# Altium PCB 理五企业合作.PCBDOC
Units mil, origin at the board's own origin, x right, y up, seen from the top; angles counter-clockwise.
Board outline 1675.03 x 1125.03 mil, 2 copper layers (Top Layer, Bottom Layer); 10 components, 24 nets, 52 pads, 1 vias.
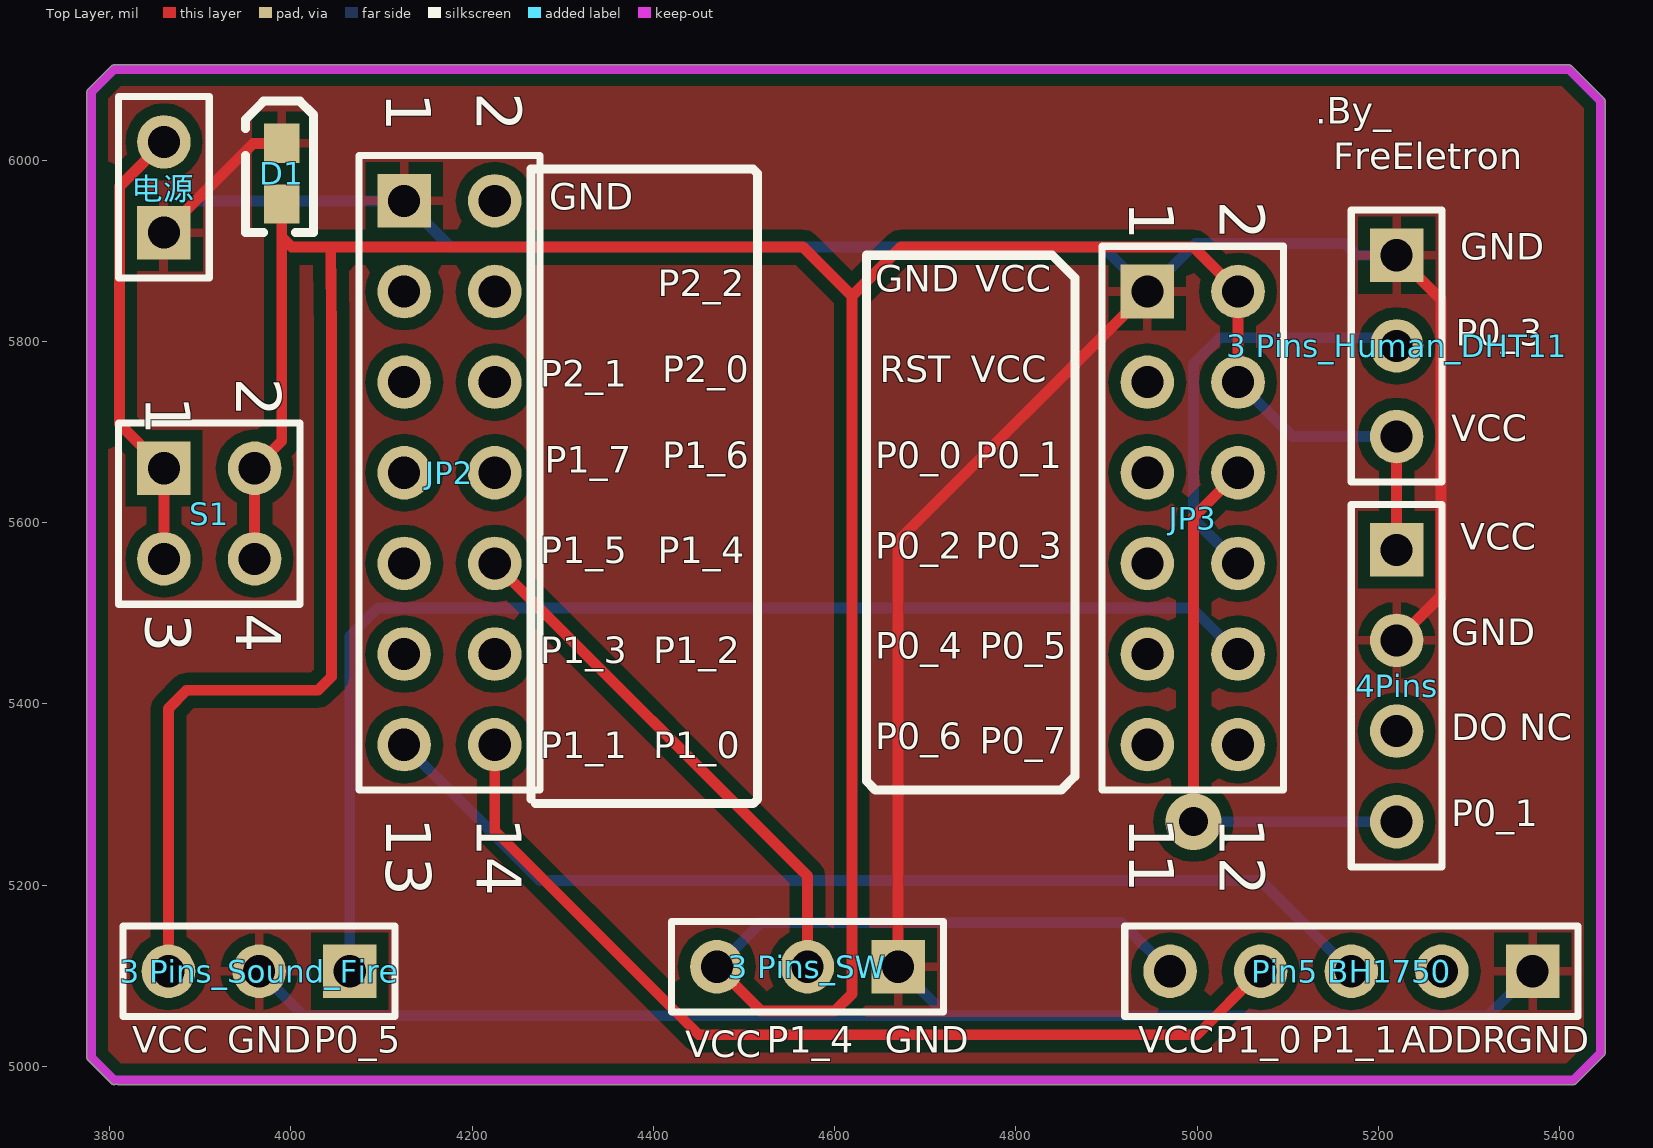
[diagram p0: Top Layer view]
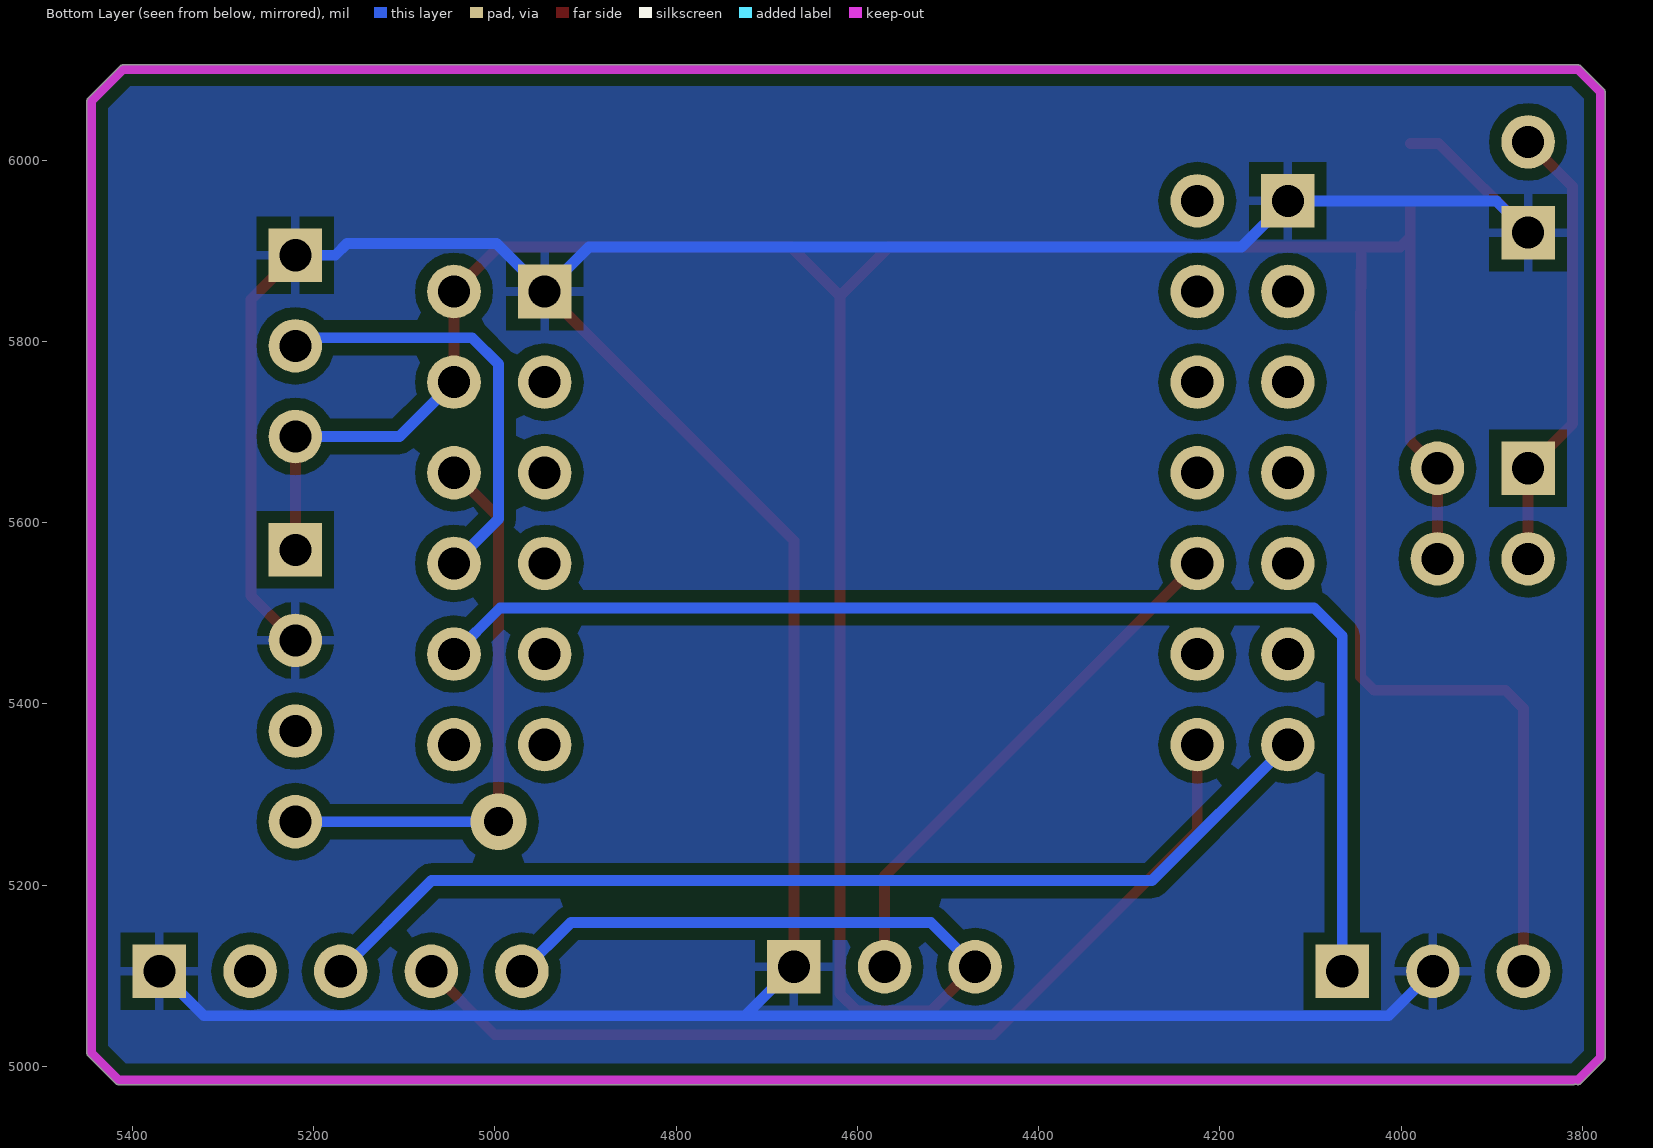
[diagram p1: Bottom Layer view, seen from below]

## Layer stack, top to bottom
Top Layer: signal copper 1.4
Dielectric: dielectric 12.6, FR-4, Dk 4.8
Bottom Layer: signal copper 1.4

## Board outline
3776.47,5006.44 cw(c3780,5010) 3774.99,5010 3774.99,6075 cw(c3780,6075) 3776.47,6078.56 3776.45,6078.55 3801.45,6103.55 3801.44,6103.53 cw(c3805,6100) 3805,6105.02 5410,6105.02 cw(c5410,6100) 5413.56,6103.53 5413.55,6103.55 5448.55,6068.55 5448.53,6068.56 cw(c5445,6065) 5450.02,6065 5450.02,5015 cw(c5445,5015) 5448.53,5011.44 5448.55,5011.45 5418.55,4981.45 5418.56,4981.47 cw(c5415,4985) 5415,4979.98 3810,4979.98 cw(c3810,4985) 3807.5,4980.65 cw(c3805,4985) 3801.45,4981.45

## Design rules (kind name [scope] priority, off if disabled: settings)
Clearance [All] p1: gap=13
FabricationTestPointUsage TestPointUsage [All] p1: valid=0 allowmultiple=FALSE
FabricationTestpoint Testpoint [All] p1: side=3 testpointundercomponent=TRUE minsize=40 maxsize=100 preferedsize=60 minholesize=0 maxholesize=40 preferedholesize=32 testpointgrid=1 allowsidetop=TRUE allowsidebottom=TRUE usegrid=TRUE gridtolerance=0.01
PolygonConnect [All] p1: connectstyle=Relief reliefconductorwidth=10 reliefentries=4 polygonreliefangle="90 Angle" airgapwidth=10
RoutingVias [All] p1: holewidth=32 width=62 viastyle="Through Hole" minholewidth=28 minwidth=50 maxholewidth=28 maxwidth=50
SolderMaskExpansion [All] p1: expansion=4
Width [All] p1: maxlimit=12 minlimit=12 preferedwidth=12
26 further rules are at their usual default settings.

## Components (designator, comment, footprint, x,y, rotation, side; value= is the part's Value field where it differs from the comment)
"3 Pins_Human_DHT11" "Header 3" HDR1X3 5220,5895 r270 top
"3 Pins_Sound_Fire" "Header 3" HDR1X3 4065,5105 r180 top
"3 Pins_SW" "Header 3" HDR1X3 4670,5110 r180 top
4Pins "Header 4" HDR1X4 5220,5570 r270 top
D1 "LED" 1608[0603] 3990,5985 r90 top
JP2 "Header 2X7" HDR2X7 4125,5955 r270 top
JP3 "Header 2X6" HDR2X6 4945,5855 r270 top
"Pin5 BH1750" "Header 5" HDR1X5 5370,5105 r180 top
S1 "SW-SPST" HDR2X2 3860,5660 r270 top
电源 "" HDR1X2 3860,5920 r90 top

## Footprints (in the part's own frame and the unit in brackets; to place one, negate y for a bottom-side part, rotate by r counter-clockwise, add the part's x,y. Pads: shape width x height; smd on the part's side, far side on the other; paste and mask are expansions set on the pad)
1608[0603] [mm] "Chip Capacitor; Body 1.6 x 0.8 mm (LxW typ)"
  rect 1.1x1 smd: 1(-0.85,0) 2(0.85,0)
HDR1X2 [mm] "Connector; Header; 2 Position"
  rect 1.5x1.5 hole 0.9: 1(0,0)
  round 1.5 hole 0.9: 2(2.54,0)
  silkscreen extent -1.27,-1.27 3.81,1.27
HDR1X3 [mm] "Connector; Header; 3 Position"
  rect 1.5x1.5 hole 0.9: 1(0,0)
  round 1.5 hole 0.9: 2(2.54,0) 3(5.08,0)
  silkscreen extent -1.27,-1.27 6.35,1.27
HDR1X4 [mm] "Connector; Header; 4 Position"
  rect 1.5x1.5 hole 0.9: 1(0,0)
  round 1.5 hole 0.9: 2(2.54,0) 3(5.08,0) 4(7.62,0)
  silkscreen extent -1.27,-1.27 8.89,1.27
HDR1X5 [mm] "Connector; Header; 5 Position"
  rect 1.5x1.5 hole 0.9: 1(0,0)
  round 1.5 hole 0.9: 2(2.54,0) 3(5.08,0) 4(7.62,0) 5(10.16,0)
  silkscreen extent -1.27,-1.27 11.43,1.27
HDR2X2 [mm] "Connector; Header; 2x2 Position"
  rect 1.5x1.5 hole 0.9: 1(0,0)
  round 1.5 hole 0.9: 2(0,2.54) 3(2.54,0) 4(2.54,2.54)
  silkscreen extent -1.27,-1.27 3.81,3.81
HDR2X6 [mm] "Connector; Header; 6x2 Position"
  rect 1.5x1.5 hole 0.9: 1(0,0)
  round 1.5 hole 0.9: 2(0,2.54) 3(2.54,0) 4(2.54,2.54) 5(5.08,0) 6(5.08,2.54) 7(7.62,0) 8(7.62,2.54) 9(10.16,0) 10(10.16,2.54) 11(12.7,0) 12(12.7,2.54)
  silkscreen extent -1.27,-1.27 13.97,3.81
HDR2X7 [mm] "Connector; Header; 7x2 Position"
  rect 1.5x1.5 hole 0.9: 1(0,0)
  round 1.5 hole 0.9: 2(0,2.54) 3(2.54,0) 4(2.54,2.54) 5(5.08,0) 6(5.08,2.54) 7(7.62,0) 8(7.62,2.54) 9(10.16,0) 10(10.16,2.54) 11(12.7,0) 12(12.7,2.54) 13(15.24,0) 14(15.24,2.54)
  silkscreen extent -1.27,-1.27 16.51,3.81

## Part data
"3 Pins_Human_DHT11" "3 Pins_Sound_Fire" "3 Pins_SW": "Header, 3-Pin"
4Pins: "Header, 4-Pin"
JP2: "Header, 7-Pin, Dual row"
JP3: "Header, 6-Pin, Dual row"
"Pin5 BH1750": "Header, 5-Pin"
S1: "Single-Pole, Single-Throw Switch"
电源: library part H-2, "Header, 2-Pin"

## Via types
v1: diameter 62, hole 32, Top Layer to Bottom Layer, 1 vias

## Nets (pads, with @x,y where several pads share a name; then routed paths per layer and width w, separated by ;. In a path a pad name is that pad's centre, name@x,y a point inside that pad or via, vN(x,y) a via of type N, cw(c..) or ccw(c..) an arc to the next point about the centre after c; other vN are vias at no path point)
3.3V: 4Pins.1 "3 Pins_Human_DHT11.3" "3 Pins_Sound_Fire.3" "3 Pins_SW.3" "Pin5 BH1750.5" D1.1 JP3.2 JP3.4 S1.2 S1.4 | length 4401.7
  Top Layer w12: 3865,5105 3865,5395 3885,5415 4030,5415 4045,5430 4045,5810 4044,5904 ; S1.4 S1.2 3990,5690 D1.1 ; 3990,5915 4001,5904 4565,5904 4619,5850 ; 4470,5110 4519,5061 4600,5061 4619,5080 4619,5850 ; JP3.4 JP3.2 4996,5904 4673,5904 4619,5850 ; 4Pins.1 5220,5695
  Bottom Layer w12: 4470,5110 4519,5159 4916,5159 4970,5105 ; JP3.4 5105,5695 5220,5695
GND: 4Pins.2 "3 Pins_Human_DHT11.1" "3 Pins_Sound_Fire.2" "3 Pins_SW.1" "Pin5 BH1750.1" D1.2 JP2.1 JP3.1 电源.1 | length 4460.5
  Top Layer w12: 电源.1 3958.46,6018.46 D1.2 ; 4670,5110 4670,5580 JP3.1 ; 4Pins.2 5269,5519 5269,5846 5220,5895
  Bottom Layer w12: 电源.1 3895,5955 JP2.1 4176,5904 4896,5904 JP3.1 4998,5908 5163,5908 5176,5895 5220,5895 ; 3965,5105 4014,5056 4724,5056 ; 4670,5110 4724,5056 ; 5370,5105 5321,5056 4724,5056
NetD1_A: 
NetS1_1: S1.1 S1.3 电源.2 | length 500.6
  Top Layer w12: S1.3 S1.1 3811,5709 3811,5971 电源.2
P0_0: JP3.5
P0_1: 4Pins.4 JP3.6 | length 629.3
  Top Layer w12: v1(4996,5270) 4996,5606 JP3.6
  Bottom Layer w12: v1(4996,5270) 4Pins.4
P0_2: JP3.7
P0_3: "3 Pins_Human_DHT11.2" JP3.8 | length 480
  Bottom Layer w12: JP3.8 4996,5604 4996,5775 5025,5804 5211,5804 5220,5795
P0_4: JP3.9
P0_5: "3 Pins_Sound_Fire.1" JP3.10 | length 1384
  Bottom Layer w12: 4065,5105 4065,5475 4096,5506 4994,5506 JP3.10
P0_6: JP3.11
P0_7: JP3.12
P1_0: "Pin5 BH1750.4" JP2.14 | length 1062.2
  Top Layer w12: JP2.14 4225,5260 4450,5035 5000,5035 5070,5105
P1_1: "Pin5 BH1750.3" JP2.13 | length 1148.6
  Bottom Layer w12: JP2.13 4275,5205 5070,5205 5170,5105
P1_2: JP2.12
P1_3: JP2.11
P1_4: "3 Pins_SW.2" JP2.10 | length 587.9
  Top Layer w12: JP2.10 4570,5210 4570,5110
P1_5: JP2.9
P1_6: JP2.8
P1_7: JP2.7
P2_0: JP2.6
P2_1: JP2.5
P2_2: JP2.4
RESET: JP3.3
pads on no net: 4Pins.3 "Pin5 BH1750.2" JP2.2 JP2.3

## Polygon pours and split planes (outlines as drawn)
GND on Top Layer "Top Layer-No Net" (solid, remove dead copper, pour order 1000): 7130,6410 9970,6410 9970,4900 9415,4345 9345,4275 7020,4275
GND on Top Layer "Top Layer-No Net" (solid, remove dead copper, pour order 2): 3530,6360 3590,6300 6160,6300 6160,5380 5975,5195 5520,4740 5520,4570 3635,4570 3390,4815 3395,4820 3395,4835
GND on Bottom Layer "Top Layer-No Net" (solid, remove dead copper, pour order 1001): 3480,4125 6090,4125 6170,4205 5915,4460 5915,6190 3230,6190 3060,6360

## Keep-outs
Keep-Out Layer:
  lines w10: 3780,5010 3780,6075 3805,6100 5410,6100 5445,6065 5445,5015 5415,4985 3810,4985 3805,4985 3780,5010

## Silkscreen, mask and mechanical layers (free items; w line width, h text height)
Top Overlay:
  lines w10: 3950,6005 3950,5920 3970,5920 ; 3950,6035 3950,6045 3969,6064 3970,6065 4010,6065 4025,6050 4025,5920 4005,5920 ; 4265,5295 4265,5990 4510,5990 4515,5985 4515,5295 4510,5290 4270,5290 ; 4635,5315 4645,5305 4850,5305 4865,5320 4865,5870 4840,5895 4635,5895 4635,5315
  text ".By_" at 5130,6030 h50
  text "FreEletron" at 5150,5980 h50
  text "GND" at 4285,5935 h50
  text "GND" at 5290,5880 h50
  text "GND" at 4645,5845 h50
  text "VCC" at 4755,5845 h50
  text "P2_2" at 4405,5840 h50
  text "P0_3" at 5285,5785 h50
  text "P2_0" at 4410,5745 h50
  text "RST" at 4650,5745 h50
  text "VCC" at 4750,5745 h50
  text "P2_1" at 4275,5740 h50
  text "VCC" at 5280,5680 h50
  text "P1_6" at 4410,5650 h50
  text "P0_0" at 4645,5650 h50
  text "P0_1" at 4755,5650 h50
  text "P1_7" at 4280,5645 h50
  text "VCC" at 5290,5560 h50
  text "P0_2" at 4645,5550 h50
  text "P0_3" at 4755,5550 h50
  text "P1_5" at 4275,5545 h50
  text "P1_4" at 4405,5545 h50
  text "GND" at 5280,5455 h50
  text "P0_4" at 4645,5440 h50
  text "P0_5" at 4760,5440 h50
  text "P1_3" at 4275,5435 h50
  text "P1_2" at 4400,5435 h50
  text "DO NC" at 5280,5350 h50
  text "P0_6" at 4645,5340 h50
  text "P0_7" at 4760,5335 h50
  text "P1_1" at 4275,5330 h50
  text "P1_0" at 4400,5330 h50
  text "P0_1" at 5280,5255 h50
  text "VCC" at 3825,5005 h50
  text "GND" at 3930,5005 h50
  text "P0_5" at 4025,5005 h50
  text "P1_4" at 4525,5005 h50
  text "GND" at 4655,5005 h50
  text "VCC" at 4935,5005 h50
  text "P1_0" at 5020,5005 h50
  text "P1_1" at 5125,5005 h50
  text "ADDR" at 5225,5005 h50
  text "GND" at 5340,5005 h50
  text "VCC" at 4435,5000 h50

## Text inside footprints (layer, text, board x,y; h text height)
JP2: Top Overlay "2" at 4205,6075 h50 r270; Top Overlay "1" at 4105,6075 h50 r270; Top Overlay "14" at 4205,5275 h50 r270; Top Overlay "13" at 4105,5275 h50 r270
JP3: Top Overlay "12" at 5025,5275 h50 r270; Top Overlay "1" at 4925,5235 h50 r270; Top Overlay "1" at 4925,5275 h50 r270; Top Overlay "1" at 4925,5955 h50 r270; Top Overlay "2" at 5025,5955 h50 r270
S1: Top Overlay "1" at 3840,5740 h50 r270; Top Overlay "2" at 3940,5760 h50 r270; Top Overlay "4" at 3940,5500 h50 r270; Top Overlay "3" at 3840,5500 h50 r270